# KiCad board kicker.kicad_pcb (continued)
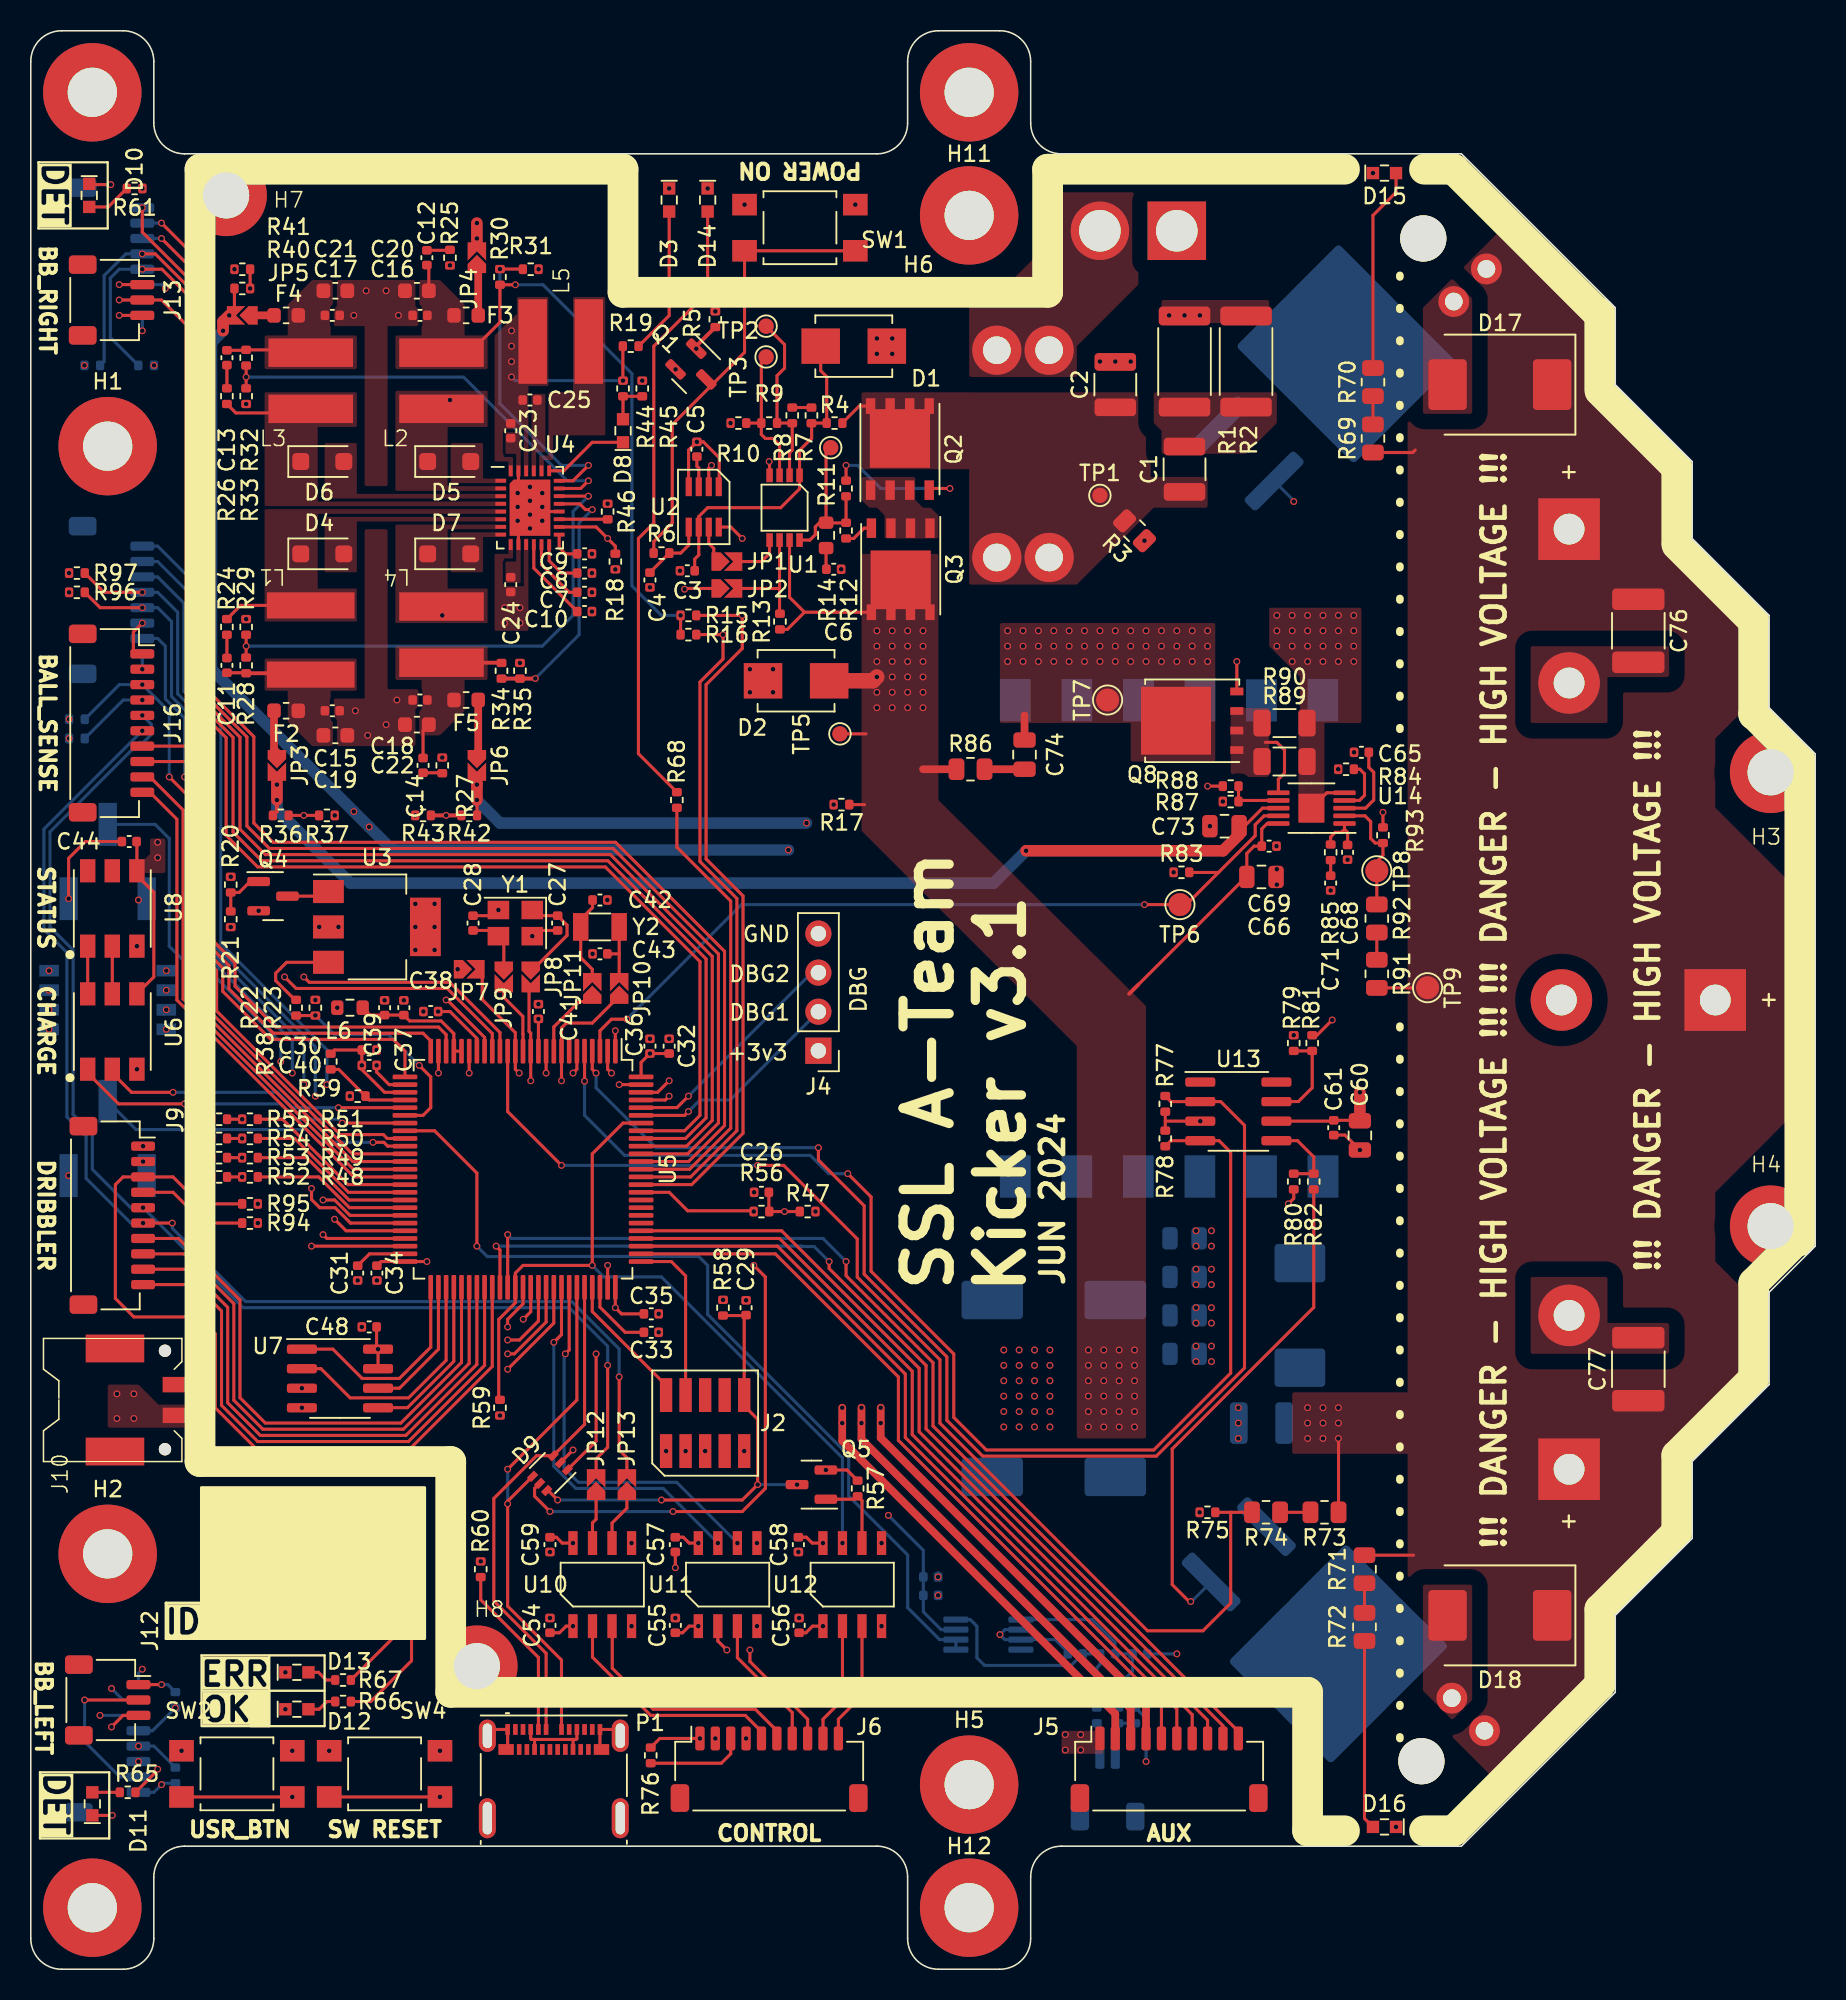
[diagram p0: board, top side]
## Library data of the parts
C1-C25 C27 C28 C42 C43 C54-C59 C64-C77 = -: Description: Unpolarized capacitor, small symbol
C26 C29-C41 C44-C50 C60 C61 = -: Description: Unpolarized capacitor
C51-C53 = -: Description: Polarized capacitor
C62 C63 = -: Description: Polarized capacitor, small symbol
D1 D2 = -: Description: Bidirectional transient-voltage-suppression diode; V_{BR}: V_{BR}=30.4V
D3 = -: Description: Light emitting diode; Value2: White
D4-D7 = -: Description: Schottky diode
D8 D13 D15 D16 = -: Description: Light emitting diode; Value2: Red
D9 = -: Description: Low capacitance unidirectional fivefold ESD protection diode array, 3.3V, Common Anode, SOT-363
D10 D11 = -: Description: Light emitting diode; Value2: Blue
D12 = -: Description: Light emitting diode; Value2: Green
D14 = -: Description: Light emitting diode; Value2: Orange
D17-D19 = -: Description: Diode; Sim.Device: D; Sim.Pins: 1=K 2=A
F1-F5 = -: Description: Fuse
H1-H12 = -: Description: Mounting Hole without connection
J1 J3 J7 J8 J10 = -: Description: Generic connector, single row, 01x02, script generated (kicad-library-utils/schlib/autogen/connector/)
J2 = -: Description: Cortex Debug Connector, standard ARM Cortex-M SWD and JTAG interface
J4 = -: Description: Generic connector, single row, 01x04, script generated
J5 J6 J9 J16 = -: Description: Generic connector, single row, 01x10, script generated (kicad-library-utils/schlib/autogen/connector/)
J11 J14 J15 = -: Description: Generic connector, single row, 01x08, script generated (kicad-library-utils/schlib/autogen/connector/)
J12 J13 = -: Description: Generic connector, single row, 01x03, script generated (kicad-library-utils/schlib/autogen/connector/)
JP1-JP6 JP8-JP11 = -: Description: Solder Jumper, 2-pole, closed/bridged
JP7 JP12 JP13 = -: Description: Solder Jumper, 2-pole, open
L1 = -: Description: Inductor; Val2: 22u
L2-L5 = -: Description: Inductor; Val2: 15u
L6 = -: Description: Inductor with ferrite core
P1 = -: Description: USB 2.0-only Type-C Plug connector
Q1 = -: Description: 50V Vds, 0.22A Id, N-Channel MOSFET, SOT-23
Q2 Q3 Q8 = -: Description: N-MOSFET transistor, source/gate/drain
Q4 Q5 = -: Description: N-MOSFET transistor, gate/source/drain
Q6 Q7 = -: Description: N-IGBT transistor, gate/collector/emitter
R1 R2 = -: Description: Resistor, US symbol; RecommendedMPN: SR2512FK-7W1RL
R3-R56 R58 R61 R65-R68 R76 R94-R103 = -: Description: Resistor, small US symbol
R57 R59 R60 R62-R64 R69-R75 R77-R93 = -: Description: Resistor, US symbol
RV1 RV2 = -: Description: Trim-potentiometer, US symbol
SW1 SW2 SW4 = -: Description: Push button switch, generic, two pins
SW3 = -: Description: 4x DIP Switch, Single Pole Single Throw (SPST) switch, small symbol
TP1-TP9 = -: Description: test point
U2 = -: Description: micropower , pushbutton on/off controller, 40V
U4 = -: Description: Quad 40V/1A Step-Down Switching Regulator
U5 = -: Description: STMicroelectronics Arm Cortex-M4 MCU, 512KB flash, 192KB RAM, 168 MHz, 1.8-3.6V, 82 GPIO, LQFP100
U7 = -: Description: 8-Mbit, 2.5V Minimum SPI Serial Flash Memory with Dual-I/O and Quad-I/O Support, SOIC-8
U9 = -: Description: Precision Thermocouple Amplifiers with Cold Junction Compensation, J-Type Thermocouple, 0 to 50C, MSOP-8
U10-U12 = -: Description: General Purpose Reinforced and Basic Dual-Channel Automotive Digital Isolator
U13 = -: Description: Dual 1.5A-Peak Low-Side MOSFET Driver, SOIC-8/DFN-8
U14 = -: Description: Boost, flyback, SEPIC and inverting regulator. MSOP-10
Y1 = -: Description: Four pin crystal, GND on pins 2 and 4, small symbol; Value2: 8MHz
Y2 = -: Description: Two pin crystal; Value2: 32.768kHz

## Footprints (pads in the part's own frame, mm; a bottom-side part is the same pattern mirrored in y, then rotated)
3557-2
  round 3.2 hole 1.8: 1(-6.735,-1.7) 1(-6.735,1.7) 2(6.735,-1.7) 2(6.735,1.7)
2157601002
  round 3 hole 3 unplated: (0,0)
  round 2 hole 1.15: 1(1.5,4.3) 2(-1.5,4.3)
AMASS_XT30U-M_1x02_P5.0mm_Vertical
  rect 3.8x3.8 hole 2.7: 1(0,0)
  round 3.8 hole 2.7: 2(5,0)
ASPI-6045S
  rect 5.7x1.7 smd: 1(0,-2.25) 2(0,2.25)
C_0402_1005Metric
  rrect 0.56x0.62 smd: 1(-0.48,0) 2(0.48,0)
C_0603_1608Metric
  rrect 0.9x0.95 smd: 1(-0.775,0) 2(0.775,0)
C_0805_2012Metric
  rrect 1x1.45 smd: 1(-0.95,0) 2(0.95,0)
C_1210_3225Metric
  rrect 1.15x2.7 smd: 1(-1.475,0) 2(1.475,0)
C_1812_4532Metric
  rrect 1.4x3.4 smd: 1(-2.05,0) 2(2.05,0)
CHP-041TB
  rect 0.76x1.27 smd: 1(-1.905,-3.81) 2(-0.635,-3.81) 3(0.635,-3.81) 4(1.905,-3.81) 5(1.905,3.81) 6(0.635,3.81) 7(-0.635,3.81) 8(-1.905,3.81)
CP_Elec_10x10
  rrect 4x2.5 smd: 1(-4,0) 2(4,0)
CP_Radial_D25.0mm_P10.00mm_SnapIn
  rect 4x4 hole 2: 1(0,0)
  round 4 hole 2: 2(10,0)
Crystal_SMD_3215-2Pin_3.2x1.5mm
  rect 1x1.8 smd: 1(1.25,0) 2(-1.25,0)
Crystal_SMD_3225-4Pin_3.2x2.5mm
  rect 1.4x1.2 smd: 1(-1.1,-0.85) 2(1.1,-0.85) 3(1.1,0.85) 4(-1.1,0.85)
D_SMB_Non-Polar
  rect 2.5x2.3 smd: 1(-2.15,0) 2(2.15,0)
D_SMC
  rrect 2.5x3.3 smd: 1(-3.4,0) 2(3.4,0)
D_SOD-123F
  rrect 1.1x1.1 smd: 1(-1.4,0) 2(1.4,0)
Fuse_0603_1608Metric
  rrect 0.875x0.95 smd: 1(-0.787,0) 2(0.787,0)
GA34XX-BL
  rect 2x2.75 smd: 1(-10,-15.475) 2(-6,-15.475) 3(-2,-15.475) 4(2,-15.475) 5(6,-15.475) 6(10,-15.475) 7(10,15.475) 8(6,15.475) 9(2,15.475) 10(-2,15.475) 11(-6,15.475) 12(-10,15.475)
ISO672X
  rect 0.6x1.55 smd: 1(-1.905,-2.7) 2(-0.635,-2.7) 3(0.635,-2.7) 4(1.905,-2.7) 5(1.905,2.7) 6(0.635,2.7) 7(-0.635,2.7) 8(-1.905,2.7)
JST_SH_SM02B-SRSS-TB_1x02-1MP_P1.00mm_Horizontal
  rrect 0.6x1.55 smd: 1(-0.5,2) 2(0.5,2)
  rrect 1.2x1.8 smd: MP(-1.8,-1.875) MP(1.8,-1.875)
JST_SH_SM03B-SRSS-TB_1x03-1MP_P1.00mm_Horizontal
  rrect 0.6x1.55 smd: 1(-1,2) 2(0,2) 3(1,2)
  rrect 1.2x1.8 smd: MP(-2.3,-1.875) MP(2.3,-1.875)
JST_SH_SM08B-SRSS-TB_1x08-1MP_P1.00mm_Horizontal
  rrect 0.6x1.55 smd: 1(-3.5,2) 2(-2.5,2) 3(-1.5,2) 4(-0.5,2) 5(0.5,2) 6(1.5,2) 7(2.5,2) 8(3.5,2)
  rrect 1.2x1.8 smd: MP(-4.8,-1.875) MP(4.8,-1.875)
JST_SH_SM10B-SRSS-TB_1x10-1MP_P1.00mm_Horizontal
  rrect 0.6x1.55 smd: 1(-4.5,2) 2(-3.5,2) 3(-2.5,2) 4(-1.5,2) 5(-0.5,2) 6(0.5,2) 7(1.5,2) 8(2.5,2) 9(3.5,2) 10(4.5,2)
  rrect 1.2x1.8 smd: MP(-5.8,-1.875) MP(5.8,-1.875)
LED0603
  rect 0.8x0.8 smd: 1(-0.75,0) 2(0.75,0)
LQFP-100_14x14mm_P0.5mm
  rrect 1.6x0.3 smd: 1(-7.675,6) 2(-7.675,5.5) 3(-7.675,5) 4(-7.675,4.5) 5(-7.675,4) 6(-7.675,3.5) 7(-7.675,3) 8(-7.675,2.5) 9(-7.675,2) 10(-7.675,1.5) 11(-7.675,1) 12(-7.675,0.5) 13(-7.675,0) 14(-7.675,-0.5) 15(-7.675,-1) 16(-7.675,-1.5) 17(-7.675,-2) 18(-7.675,-2.5) 19(-7.675,-3) 20(-7.675,-3.5) 21(-7.675,-4) 22(-7.675,-4.5) 23(-7.675,-5) 24(-7.675,-5.5) 25(-7.675,-6) 51(7.675,-6) 52(7.675,-5.5) 53(7.675,-5) 54(7.675,-4.5) 55(7.675,-4) 56(7.675,-3.5) 57(7.675,-3) 58(7.675,-2.5) 59(7.675,-2) 60(7.675,-1.5) 61(7.675,-1) 62(7.675,-0.5) 63(7.675,0) 64(7.675,0.5) 65(7.675,1) 66(7.675,1.5) 67(7.675,2) 68(7.675,2.5) 69(7.675,3) 70(7.675,3.5) 71(7.675,4) 72(7.675,4.5) 73(7.675,5) 74(7.675,5.5) 75(7.675,6)
  rrect 0.3x1.6 smd: 26(-6,-7.675) 27(-5.5,-7.675) 28(-5,-7.675) 29(-4.5,-7.675) 30(-4,-7.675) 31(-3.5,-7.675) 32(-3,-7.675) 33(-2.5,-7.675) 34(-2,-7.675) 35(-1.5,-7.675) 36(-1,-7.675) 37(-0.5,-7.675) 38(0,-7.675) 39(0.5,-7.675) 40(1,-7.675) 41(1.5,-7.675) 42(2,-7.675) 43(2.5,-7.675) 44(3,-7.675) 45(3.5,-7.675) 46(4,-7.675) 47(4.5,-7.675) 48(5,-7.675) 49(5.5,-7.675) 50(6,-7.675) 76(6,7.675) 77(5.5,7.675) 78(5,7.675) 79(4.5,7.675) 80(4,7.675) 81(3.5,7.675) 82(3,7.675) 83(2.5,7.675) 84(2,7.675) 85(1.5,7.675) 86(1,7.675) 87(0.5,7.675) 88(0,7.675) 89(-0.5,7.675) 90(-1,7.675) 91(-1.5,7.675) 92(-2,7.675) 93(-2.5,7.675) 94(-3,7.675) 95(-3.5,7.675) 96(-4,7.675) 97(-4.5,7.675) 98(-5,7.675) 99(-5.5,7.675) 100(-6,7.675)
LTC2955-TS8
  rect 0.4x1.22 smd: 1(-0.975,-1.31) 2(-0.325,-1.31) 3(0.325,-1.31) 4(0.975,-1.31) 5(0.975,1.31) 6(0.325,1.31) 7(-0.325,1.31) 8(-0.975,1.31)
MountingHole_3.2mm_M3_Pad
  round 6.4 hole 3.2: 1(0,0)
MS8
  rect 0.42x0.889 smd: 1(-0.975,-2.106) 2(-0.325,-2.106) 3(0.325,-2.106) 4(0.975,-2.106) 5(0.975,2.106) 6(0.325,2.106) 7(-0.325,2.106) 8(-0.975,2.106)
MSOP-8_3x3mm_P0.65mm
  rrect 1.625x0.4 smd: 1(-2.112,0.975) 2(-2.112,0.325) 3(-2.112,-0.325) 4(-2.112,-0.975) 5(2.112,-0.975) 6(2.112,-0.325) 7(2.112,0.325) 8(2.112,0.975)
MSOP-10-1EP_3x3mm_P0.5mm_EP1.68x1.88mm
  rrect 0.68x0.76 smd: (-0.42,0.47) (-0.42,-0.47) (0.42,0.47) (0.42,-0.47)
  rrect 1.45x0.3 smd: 1(-2.15,1) 2(-2.15,0.5) 3(-2.15,0) 4(-2.15,-0.5) 5(-2.15,-1) 6(2.15,-1) 7(2.15,-0.5) 8(2.15,0) 9(2.15,0.5) 10(2.15,1)
  rect 1.68x1.88 smd: 11(0,0)
PinHeader_1x04_P2.54mm_Vertical
  rect 1.7x1.7 hole 1: 1(0,0)
  oval 1.7x1.7 hole 1: 2(0,-2.54) 3(0,-5.08) 4(0,-7.62)
Potentiometer_Bourns_3269X_Horizontal
  rect 1.19x2.79 smd: 1(2.54,2.415) 2(0,-2.415) 3(-2.54,2.415)
PowerPAK_SO-8L_Single
  rect 1.27x0.61 smd: 1(-2.67,1.905) 2(-2.67,0.635) 3(-2.67,-0.635) 4(-2.67,-1.905)
  rect 3.81x3.91 smd: 5(0.69,0)
  rect 1.02x0.61 smd: 5(2.795,1.905) 5(2.795,0.635) 5(2.795,-0.635) 5(2.795,-1.905)
R_0402_1005Metric
  rrect 0.54x0.64 smd: 1(-0.51,0) 2(0.51,0)
R_0603_1608Metric
  rrect 0.8x0.95 smd: 1(-0.825,0) 2(0.825,0)
R_0805_2012Metric
  rrect 1.025x1.4 smd: 1(-0.912,0) 2(0.912,0)
R_1206_3216Metric
  rrect 1.125x1.75 smd: 1(-1.462,0) 2(1.462,0)
R_2512_6332Metric
  rrect 1.225x3.35 smd: 1(-2.962,0) 2(2.962,0)
Samtec-2x5pin-0.5mm
  rect 0.8x2.2 smd: 1(-2.54,-1.82) 2(-2.54,1.82) 3(-1.27,-1.82) 4(-1.27,1.82) 5(0,-1.82) 6(0,1.82) 7(1.27,-1.82) 8(1.27,1.82) 9(2.54,-1.82) 10(2.54,1.82)
SDCHA1V50
  rect 5.5x1.85 smd: 1(0,-1.825) 2(0,1.825)
SK9822
  rect 1.5x1 smd: 1(2.45,-1.6) 2(2.45,0) 3(2.45,1.6) 4(-2.45,1.6) 5(-2.45,0) 6(-2.45,-1.6)
SM02B-PASS-TBT
  round 0.8 hole 1.9x0.9 unplated: (-3.2,-0.15)
  round 0.8 hole 0.9 unplated: (3.2,-0.15)
  rect 1x2.7 smd: 1(-1,-1.35) 2(1,-1.35)
  rect 1.8x3.8 smd: MP(-3.35,3.1) MP(3.35,3.1)
SOIC-8_3.9x4.9mm_P1.27mm
  rrect 1.95x0.6 smd: 1(-2.475,1.905) 2(-2.475,0.635) 3(-2.475,-0.635) 4(-2.475,-1.905) 5(2.475,-1.905) 6(2.475,-0.635) 7(2.475,0.635) 8(2.475,1.905)
SolderJumper-2_2.0x1.2mm_Closed
  custom 1.187x1.2 smd: 1(-0.85,0) 2(0.85,0)
SolderJumper-2_2.0x1.2mm_Open
  custom 1.187x1.2 smd: 1(-0.85,0) 2(0.85,0)
SOT-23
  rrect 1.475x0.6 smd: 1(-0.938,0.95) 2(-0.938,-0.95) 3(0.938,0)
SOT-223
  rect 2x1.5 smd: 1(-3.15,2.3) 2(-3.15,0) 3(-3.15,-2.3)
  rect 2x3.8 smd: 4(3.15,0)
SOT-363_SC-70-6
  rect 0.65x0.4 smd: 1(-0.95,0.65) 2(-0.95,0) 3(-0.95,-0.65) 4(0.95,-0.65) 5(0.95,0) 6(0.95,0.65)
SW_SPST_TL3305A
  rect 1.6x1.4 smd: 1(-3.6,1.5) 1(3.6,1.5) 2(-3.6,-1.5) 2(3.6,-1.5)
TDSON-8-1
  rect 1.5x1.5 smd: (-0.2,0.85) (-0.2,-0.85) (1.5,0.85) (1.5,-0.85)
  custom 4.55x4.41 smd: (0.65,0)
  rect 0.75x0.5 smd: (2.905,1.905) (2.905,0.635) (2.905,-0.635) (2.905,-1.905)
  rect 0.85x0.5 smd: 1(-2.9,1.905) 2(-2.9,0.635) 3(-2.9,-0.635) 4(-2.9,-1.905)
  rect 4.55x4.41 smd: 5(1.05,0)
TestPoint_Pad_D1.0mm
  round 1 smd: 1(0,0)
TestPoint_Pad_D1.5mm
  round 1.5 smd: 1(0,0)
TO-263-2
  rrect 4.6x1.1 smd: 1(-7.65,2.54) 3(-7.65,-2.54)
  rrect 4.55x5.25 smd: 2(-0.925,-2.775) 2(-0.925,2.775) 2(3.925,-2.775) 2(3.925,2.775)
  rrect 9.4x10.8 smd: 2(1.5,0)
UFD
  rect 0.7x0.25 smd: 1(-1.9,1.75) 2(-1.9,1.25) 3(-1.9,0.75) 4(-1.9,0.25) 5(-1.9,-0.25) 6(-1.9,-0.75) 7(-1.9,-1.25) 8(-1.9,-1.75) 15(1.9,-1.75) 16(1.9,-1.25) 17(1.9,-0.75) 18(1.9,-0.25) 19(1.9,0.25) 20(1.9,0.75) 21(1.9,1.25) 22(1.9,1.75)
  rect 0.25x0.7 smd: 9(-1.25,-2.4) 10(-0.75,-2.4) 11(-0.25,-2.4) 12(0.25,-2.4) 13(0.75,-2.4) 14(1.25,-2.4) 23(1.25,2.4) 24(0.75,2.4) 25(0.25,2.4) 26(-0.25,2.4) 27(-0.75,2.4) 28(-1.25,2.4)
  rrect 2.65x3.65 smd: 29(0,0)
USB_C_Receptacle_Molex_105450-0101
  rect 0.3x0.7 smd: A1(-3,3.215) A2(-2.5,3.215) A3(-2,3.215) A4(-1.5,3.215) A5(-1,3.215) A6(-0.5,3.215) A7(0.5,3.215) A8(1,3.215) A9(1.5,3.215) A10(2,3.215) A11(2.5,3.215) A12(3,3.215) B2(2.25,1.915) B3(1.75,1.915) B4(1.25,1.915) B5(0.75,1.915) B6(0.25,1.915) B7(-0.25,1.915) B8(-0.75,1.915) B9(-1.25,1.915) B10(-1.75,1.915) B11(-2.25,1.915)
  rect 1x0.7 smd: B1(3.1,1.915) B12(-3.1,1.915)
  oval 1.1x2.1 hole 0.6x1.6: S1(-4.32,2.805) S1(4.32,2.805)
  oval 1.1x2.6 hole 0.6x2.1: S1(-4.32,-2.555) S1(4.32,-2.555)
WE-9774005243R
  round 5.3 hole 3 unplated: (0,0)

## Nets
+3.3V_{PREFUSE}: C12.2 C16.1 C20.1 F3.1 L2.2 R15.1 R16.1 R30.1
+3V3: C30.2 C32.2 C34.1 C35.1 C36.1 C38.1 C40.1 C41.1 C48.2 C49.1 C50.2 C57.1 C58.1 C59.1 J2.1 J4.1 J5.2 J9.2 J11.1 J12.1 J13.1 J14.1 J15.1 J16.2 JP4.2 L6.1 R20.2 R38.1 R58.1 R94.1 R95.1 R96.1 R97.1 R98.1 R99.1 R100.1 R101.1 R102.1 R103.1 RV1.1 RV2.1 SW2.2 SW3.5 SW3.6 SW3.7 SW3.8 U5.6 U5.11 U5.19 U5.28 U5.50 U5.75 U5.100 U7.3 U7.7 U7.8 U9.7 U10.8 U11.8 U12.8
+5V: C44.2 J5.3 JP5.2 R40.1 U6.4 U8.4
+6V: J5.4 JP6.2 R42.1
+12V: C60.1 C61.1 C73.1 JP3.2 R36.1 U13.6 U14.8
/isol/GND_ISOL: C54.2 C55.2 C56.2 J6.1 R76.1 U10.4 U11.4 U12.4
GND: C2.2 C3.2 C4.2 C5.2 C6.2 C7.2 C8.2 C9.2 C10.2 C15.2 C16.2 C17.2 C18.2 C19.2 C20.2 C21.2 C22.2 C23.2 C24.2 C26.2 C27.2 C28.2 C29.2 C30.1 C31.1 C32.1 C33.1 C34.2 C35.2 C36.2 C37.2 C38.2 C39.2 C40.2 C41.2 C42.2 C43.2 C44.1 C45.1 C47.2 C48.1 C49.2 C50.1 C51.2 C52.2 C53.2 C57.2 C58.2 C59.2 C60.2 C61.2 C62.2 C63.2 C64.2 C65.2 C66.2 C67.2 C68.2 C69.2 C70.2 C71.2 C72.2 C73.2 C75.2 C76.2 C77.2 D1.1 D2.1 D3.1 D9.2 D10.1 D11.1 D12.1 D13.1 D14.1 D15.1 D16.1 J1.1 J2.3 J2.5 J2.9 J4.4 J5.1 J9.1 J10.2 J11.3 J12.3 J13.3 J14.3 J15.3 J16.1 JP7.1 L7.6 P1.A1 P1.A12 P1.B1 P1.B12 P1.S1 Q1.2 Q4.2 Q5.2 Q6.3 Q7.3 R1.2 R2.2 R3.1 R5.1 R10.1 R17.2 R18.2 R21.2 R23.2 R29.2 R31.2 R33.2 R35.2 R37.2 R39.2 R41.2 R43.2 R45.1 R46.2 R47.2 R52.1 R53.1 R54.1 R55.1 R57.2 R59.1 R60.2 R62.1 R75.2 R77.2 R78.2 R79.2 R80.2 R83.2 R84.1 R87.1 R89.1 R90.1 R93.1 RV1.3 RV2.3 SW1.1 SW4.1 U1.4 U2.1 U2.4 U4.10 U4.18 U4.27 U4.29 U5.10 U5.20 U5.27 U5.74 U5.99 U6.3 U7.4 U8.3 U9.2 U9.3 U10.5 U11.5 U12.5 U13.3 U14.5 U14.11 Y1.2 Y1.4
+BATT: C23.1 C24.1 C25.2 C62.1 C63.1 C64.1 C66.1 C67.1 C69.1 C70.1 C72.1 D2.2 J10.1 L5.2 L7.9 L7.10 L7.11 L7.12 Q3.5 R13.1 R17.1 R19.1 R44.1 R86.1 TP5.1 U1.7 U3.2 U3.4 U4.9 U4.11 U4.26 U4.28 U14.10
/Ball Sense/8MHZ_CLK_REF: J9.5 J16.5 JP8.2 JP12.2 U5.12
/Ball Sense/32KHZ_CLK_REF: J9.6 J16.6 JP10.1 JP13.2 U5.8
/Ball Sense/SENSE_BOOT_UART.BOOT0: J16.9 U5.38
/Ball Sense/SENSE_BOOT_UART.RST: J16.10 U5.39
/Ball Sense/SENSE_BOOT_UART.RX: J16.8 U5.26
/Ball Sense/SENSE_BOOT_UART.TX: J16.7 U5.25
/Ball Sense/SENSE_BOOT_UART.~{DET}: J16.3 R103.2 U5.37
/Breakbeam/BB_CENTER.AGPIO: J11.2 U5.34
/Breakbeam/BB_CENTER.INT: J11.8 U5.46
/Breakbeam/BB_CENTER.RST: J11.6 U5.45
/Breakbeam/BB_CENTER.SCL: J11.5 R97.2 U5.47
/Breakbeam/BB_CENTER.SDA: J11.4 R96.2 U5.48
/Breakbeam/BB_CENTER.~{DET}: J11.7 U5.44
/Breakbeam/BB_LEFT.AGPIO: J12.2 J15.2 U5.24
/Breakbeam/BB_LEFT.INT: J15.8 U5.65
/Breakbeam/BB_LEFT.RST: J15.6 U5.64
/Breakbeam/BB_LEFT.SCL: J15.5 R101.2 U5.67
/Breakbeam/BB_LEFT.SDA: J15.4 R99.2 U5.66
/Breakbeam/BB_LEFT.~{DET}: J15.7 U5.63
/Breakbeam/BB_RIGHT.AGPIO: J13.2 J14.2 U5.23
/Breakbeam/BB_RIGHT.INT: J14.8 U5.91
/Breakbeam/BB_RIGHT.RST: J14.6 U5.90
/Breakbeam/BB_RIGHT.SCL: J14.5 R100.2 U5.92
/Breakbeam/BB_RIGHT.SDA: J14.4 R98.2 U5.93
/Breakbeam/BB_RIGHT.~{DET}: J14.7 U5.89
/digital/AUX_GPIO1: J5.9 U5.60
/digital/AUX_GPIO2: J5.10 U5.61
/digital/AUX_MISO: J5.7 U5.79
/digital/AUX_MOSI: J5.8 U5.80
/digital/AUX_NSS: J5.5 U5.77
/digital/AUX_SCK: J5.6 U5.78
/digital/BB_LED1_BLUE: R61.1 U5.1
/digital/BB_LED2_BLUE: R65.1 U5.2
/digital/CMD_{CHG}: R83.1 TP6.1 U5.3 U14.9
/digital/CMD_{CHIP}: R78.1 U5.5 U13.4
/digital/CMD_{KICK}: R77.1 U5.4 U13.2
/digital/DBG_HDR1: J4.2 U5.95
/digital/DBG_HDR2: J4.3 U5.96
/digital/DIP0: R51.2 U5.40
/digital/DIP1: R50.2 U5.41
/digital/DIP2: R49.2 U5.42
/digital/DIP3: R48.2 U5.43
/digital/DOTSTAR_MOSI: U5.32 U6.1
/digital/DOTSTAR_SCK: U5.30 U6.2
/digital/FLASH_MISO: U5.53 U7.2
/digital/FLASH_MOSI: U5.54 U7.5
/digital/FLASH_NSS: U5.51 U7.1
/digital/FLASH_SCK: U5.52 U7.6
/digital/LED_GREEN: R66.1 U5.97
/digital/LED_RED: R67.1 U5.98
/digital/MCU_BOOT_UART.BOOT0: R59.2 U5.62 U5.94 U12.7
/digital/MCU_BOOT_UART.PWR_EN: J6.4 Q1.1 R5.2
/digital/MCU_BOOT_UART.RST: Q5.1 R57.1 U12.6
/digital/MCU_BOOT_UART.RX: U5.69 U11.6
/digital/MCU_BOOT_UART.TX: U5.68 U11.7
/digital/MCU_BOOT_UART.~{DET}: J6.3 R76.2
/digital/NRST: C29.1 D9.6 J2.10 JP7.2 Q5.3 R58.2 SW4.2 U5.14
/digital/PWR_BTN_PRESSED_~{INT}: R15.2 U2.8 U5.86
/digital/PWR_KILL: R16.2 U2.2 U5.87
/digital/ShutdownInitiated: R68.1 U5.88
/digital/SWCLK: J2.4 U5.76
/digital/SWDIO: J2.2 U5.72
/digital/TEMP_PROBE: U5.33 U9.5 U9.6
/digital/USB_OTG_FS_D_N: D9.4 P1.A7 U5.70
/digital/USB_OTG_FS_D_P: D9.3 P1.A6 U5.71
/digital/USER_ADJ1: RV1.2 U5.35
/digital/USER_ADJ2: RV2.2 U5.36
/digital/USR_BTN: D9.5 R56.1 U5.85
/digital/V_{sense}_3v3: R38.2 R39.1 U5.29
/digital/V_{sense}_5v0: R40.2 R41.1 U5.17
/digital/V_{sense}_6v2: R42.2 R43.1 U5.18
/digital/V_{sense}_12v0: R36.2 R37.1 U5.16
/digital/V_{sense}_HV: D9.1 R74.2 R75.1 U5.15
/digital/V_{sense}_V_{batt}: R22.2 R23.1 U5.31
/Dribbler/DRIB_BOOT_UART.BOOT0: J9.9 U5.57
/Dribbler/DRIB_BOOT_UART.RST: J9.10 U5.58
/Dribbler/DRIB_BOOT_UART.RX: J9.8 U5.56
/Dribbler/DRIB_BOOT_UART.TX: J9.7 U5.55
/Dribbler/DRIB_BOOT_UART.~{DET}: J9.3 R95.2 U5.59
/hv_kicker/DL1S: R69.2 R70.1
/hv_kicker/DL2S: R71.2 R72.1
/hv_kicker/flyback_charger/CSP: Q8.1 Q8.2 Q8.3 R89.2 R90.2 U14.6
/hv_kicker/flyback_charger/FB: R92.1 R93.2 TP8.1 U14.2
/hv_kicker/flyback_charger/HV_AC: D19.2 L7.7
/hv_kicker/flyback_charger/HVFBS: R91.1 R92.2
/hv_kicker/flyback_charger/HVGATE: R87.2 R88.1 U14.7
/hv_kicker/flyback_charger/V_{solenoid}: C51.1 C52.1 C53.1 C75.1 C76.1 C77.1 D17.1 D18.1 D19.1 J7.1 J8.2 R69.1 R71.1 R73.1 R91.2 TP9.1
/hv_kicker/flyback_charger/V_{trans}: C74.2 L7.1 L7.2 L7.3 L7.4 Q8.5 TP7.1
/hv_kicker/HVMS: R73.2 R74.1
/hv_kicker/solenoid_control/CHIP_SW: D18.2 J8.1 Q7.2
/hv_kicker/solenoid_control/GATE_{chip}: R80.1 R82.1 U13.5
/hv_kicker/solenoid_control/GATE_{chip}_FILT: Q7.1 R82.2
/hv_kicker/solenoid_control/GATE_{kick}: R79.1 R81.1 U13.7
/hv_kicker/solenoid_control/GATE_{kick}_FILT: Q6.1 R81.2
/hv_kicker/solenoid_control/KICK_SW: D17.2 J7.2 Q6.2
/isol/BOOT_UART_BOOT0_ISOL: J6.9 U12.2
/isol/BOOT_UART_RST_ISOL: J6.10 U12.3
/isol/BOOT_UART_RX_ISOL: J6.7 U11.3
/isol/BOOT_UART_TX_ISOL: J6.8 U11.2
/isol/CLK_8M_ISOL: J6.5 U10.2
/isol/CLK_32K_ISOL: J6.6 U10.3
/isol/V_{logic}_ISOL: C54.1 C55.1 C56.1 J6.2 U10.1 U11.1 U12.1
/Power Protection/PGOOD_{VBATT}: JP2.1 R18.1 U4.16
/Power Protection/V_{BATT}: F1.1 J1.2
/Power Protection/V_{BATT}_FUSED: C1.1 C2.1 F1.2 Q2.5 R3.2 R4.2 TP1.1
Net-(C1-Pad2): C1.2 R1.1 R2.1
Net-(C6-Pad1): C6.1 R14.2
Net-(C11-Pad1): C11.1 R24.2
Net-(C11-Pad2): C11.2 C15.1 C19.1 F2.1 L1.2 R28.1
Net-(C12-Pad1): C12.1 R25.2
Net-(C13-Pad1): C13.1 R26.2
Net-(C13-Pad2): C13.2 C17.1 C21.1 F4.1 L3.2 R32.1
Net-(C14-Pad1): C14.1 R27.2
Net-(C14-Pad2): C14.2 C18.1 C22.1 F5.1 L4.2 R34.1
Net-(C26-Pad1): C26.1 R47.1 R56.2 SW2.1
Net-(C71-Pad1): C71.1 R85.1
Net-(C74-Pad1): C74.1 R86.2
Net-(D1-A2): C3.1 D1.2 R4.1 R7.1 U1.1 U2.6
Net-(D3-A): D3.2 R19.2
Net-(D4-A): D4.2 U4.6
Net-(D4-K): D4.1 L1.1 R24.1 U4.5
Net-(D5-A): D5.2 U4.1
Net-(D5-K): D5.1 L2.1 R25.1 U4.2
Net-(D6-A): D6.2 U4.3
Net-(D6-K): D6.1 L3.1 R26.1 U4.4
Net-(D7-A): D7.2 U4.8
Net-(D7-K): D7.1 L4.1 R27.1 U4.7
Net-(D8-A): D8.2 R44.2 R45.2
Net-(D8-K): D8.1 U4.23
Net-(D10-A): D10.2 R61.2
Net-(D11-A): D11.2 R65.2
Net-(D12-A): D12.2 R66.2
Net-(D13-A): D13.2 R67.2
Net-(D14-A): D14.2 R68.2
Net-(D15-A): D15.2 R70.2
Net-(D16-A): D16.2 R72.2
Net-(J3-Pin_1): J3.1 R62.2 R63.1
Net-(J3-Pin_2): J3.2 R64.1
Net-(J9-Pin_4): J9.4 R94.2
Net-(J16-Pin_4): J16.4 R102.2
Net-(JP1-A): JP1.1 U2.7
Net-(JP1-B): JP1.2 U1.5
Net-(JP2-B): JP2.2 R13.2 U1.6
Net-(JP3-A): F2.2 JP3.1
Net-(JP4-A): F3.2 JP4.1
Net-(JP5-A): F4.2 JP5.1
Net-(JP6-A): F5.2 JP6.1
Net-(JP8-A): C27.1 JP8.1 Y1.1
Net-(JP9-A): C28.1 JP9.1 Y1.3
Net-(JP9-B): JP9.2 U5.13
Net-(JP10-B): C43.1 JP10.2 Y2.2
Net-(JP11-A): JP11.1 U5.9
Net-(JP11-B): C42.1 JP11.2 Y2.1
Net-(JP12-A): JP12.1 U10.7
Net-(JP13-A): JP13.1 U10.6
Net-(P1-CC): P1.A5 R60.1
Net-(Q1-D): Q1.3 R6.2 SW1.2
Net-(Q2-G): Q2.4 R11.1
Net-(Q2-S-Pad1): Q2.1 Q2.2 Q2.3 Q3.1 Q3.2 Q3.3
Net-(Q3-G): Q3.4 R12.2
Net-(Q4-D): Q4.3 U3.1
Net-(Q4-G): Q4.1 R20.1 R21.1
Net-(Q8-G): Q8.4 R88.2
Net-(R7-Pad2): R7.2 R8.1
Net-(R48-Pad1): R48.1 R52.2 SW3.4
Net-(R49-Pad1): R49.1 R53.2 SW3.3
Net-(R50-Pad1): R50.1 R54.2 SW3.2
Net-(R51-Pad1): R51.1 R55.2 SW3.1
Net-(U1-GATE): R11.2 R12.1 R14.1 TP4.1 U1.8
Net-(U1-OV): R9.2 R10.2 TP3.1 U1.3
Net-(U1-UV): R8.2 R9.1 TP2.1 U1.2
Net-(U2-TMR): C5.1 U2.3
Net-(U2-~{PB}): C4.1 R6.1 U2.5
Net-(U3-OUT): R22.1 U3.3
Net-(U4A-RT/SYNC): R46.1 U4.17
Net-(U4A-SKY): C25.1 U4.25
Net-(U4A-SW5): L5.1 U4.24
Net-(U4B-FB1): R28.2 R29.1 U4.20
Net-(U4B-RUN/SS1): C7.1 U4.13
Net-(U4C-FB2): R30.2 R31.1 U4.22
Net-(U4C-RUN/SS2): C8.1 U4.14
Net-(U4D-FB3): R32.2 R33.1 U4.21
Net-(U4D-RUN/SS3): C9.1 U4.15
Net-(U4E-FB4): R34.2 R35.1 U4.19
Net-(U4E-RUN/SS4): C10.1 U4.12
Net-(U5-VCAP_1): C31.2 U5.49
Net-(U5-VCAP_2): C33.2 U5.73
Net-(U5-VDDA): C37.1 C39.1 L6.2 U5.21 U5.22
Net-(U6-CKO): U6.5 U8.2
Net-(U6-SDO): U6.6 U8.1
Net-(U9-+IN): C46.2 C47.1 R64.2 U9.8
Net-(U9--IN): C45.2 C46.1 R63.2 U9.1
Net-(U14-RT): R84.2 U14.4
Net-(U14-SS): C65.1 U14.3
Net-(U14-VC): C68.1 R85.2 U14.1

Pads without a net: H1 1; H2 1; H5 1; H6 1; H9 1; H10 1; H11 1; H12 1; J2 6 7 8; J3 MP; J5 MP; J6 MP; J9 MP; J10 MP; J11 MP; J12 MP; J13 MP; J14 MP; J15 MP; J16 MP; L7 5 8; P1 A2 A3 A4 A8 A9 A10 A11 B2 B3 B4 B5 B6 B7 B8 B9 B10 B11; U5 7 81 82 83 84; U8 5 6; U9 4; U13 1 8

## Via types
v1: diameter 0.45, hole 0.3, Top to Bottom, 551 vias

## Routing (per net, layer and track width the routed paths; a pad name or vN(x,y) marks a point on that pad's centre or on a via; arc(x,y) is an arc through that point)
+3.3V_{PREFUSE}: length 38.7
  Top w0.2: v1(42.24,88) R16.1 ; 28.53,105.08 30.5,107.05 R30.1 v1(31.5,109.49) ; C12.2 25.88,110.64 C20.1
  Top w0.25: L2.2 28.53,105.08
  Bottom w0.2: v1(31.5,109.49) 33.3,109.49 39.08,103.71 39.08,89.92 41,88 v1(42.24,88)
+3V3: length 81.3
  Top w0.2: v1(26.48,62.25) 27.26,62.25 29,60.51 U5.19 ; C34.1 22.77,46 U5.50 v1(25.75,46) ; C35.1 38.4,42.6 v1(38,43) U5.75 ; J13.1 v1(5.75,109.5) ; C32.2 v1(40.25,59.52) 39.68,58.94 U5.100 ; v1(51.5,27.7) 50.8,27.7 50.42,28.08 C58.1 ; U5.6 35.5,58.5 v1(35.25,58.25) ; 21.52,59.5 v1(21.52,58.75) ; v1(21.52,58.75) 21.51,58.76 ; v1(21.52,58.75) 21.52,58.48 23,57 U5.28 ; C30.2 19.74,59.75 R38.1 ; C59.1 34.17,28.08 34.55,27.7 v1(35.25,27.7) ; v1(43.4,27.7) 42.8,27.7 42.42,28.08 C57.1 ; v1(33,61.77) U5.11 ; C48.2 22.48,40.4 v1(22.57,40.31) U7.7 ; v1(8.5,18.5) J12.1
  Top w0.5: v1(52.75,36.5) v1(52.75,35.5) 52.75,34.35 70.5,16.6 J5.2
  Top w0.75: JP4.2 v1(29,113.5)
  Bottom w0.2: J11.1 v1(7.25,84.5) ; v1(8.5,18.5) 8.91,18.5 R101.1 ; U9.7 59.18,22.07 58.02,23.23 C49.1 C50.2 ; J15.1 8,11.5 v1(8.5,12) 8.59,12.09 R99.1 ; v1(55.75,29.5) 58.02,27.23 C50.2 ; C50.2 58.02,25.63 ; C50.2 58,25.48 ; RV2.1 7.09,69.59 v1(7,69.5) ; v1(7.25,106.5) J14.1
  vias: v1(1.19,64.91) v1(1.19,63.63) v1(1.19,62.37) v1(1.19,61.09) v1(2.49,90.75) v1(2.49,89.5) v1(2.49,81.25) v1(2.49,80) v1(3.49,104.25) v1(7.3,52.5) v1(8.01,104.25) v1(9.8,14.2) v1(13,71.01) v1(14.76,49.75) v1(14.76,48.5) v1(17,14.2) v1(17.62,37.76) v1(19.93,62.5) v1(29,112.5) v1(41.3,33.68) v1(45,43.51)
+5V: length 162.1
  Top w0.2: U6.4 8,64.5 8,70 6.9,71.1 U8.4 6.9,73.28 C44.2 ; 8.2,72.2 v1(8.25,72.25) ; R40.1 13.24,107.84 v1(12.9,107.5) ; 8.2,73.3 v1(8.25,73.25)
  Top w0.5: v1(54,36.5) v1(54,35.5) 54,34.44 71.5,16.94 J5.3
  Top w0.75: v1(12.5,106.5) 12.5,107.1 v1(12.9,107.5)
  In1.Cu w0.75: v1(49.25,72.75) 49.96,72.75 54,68.71 v1(54,35.5)
  In3.Cu w0.35: 21.5,74.75 20,73.25 v1(8.25,73.25)
  Bottom w0.75: v1(12.9,107.5) 12.5,107.1 v1(12.5,106.5) 11.75,105.75 11.75,84.5 v1(21,75.25) v1(22,74.25) 23.5,72.75 v1(49.25,72.75)
+6V: length 95.1
  Top w0.2: v1(29,76) 29.01,75.99 R42.1
  Top w0.5: J5.4 72.5,17.29 55.25,34.54 v1(55.25,35.5) v1(55.25,36.5)
  Top w0.75: JP6.2 v1(29,77) v1(29,76)
  In1.Cu w0.75: v1(55.25,35.5) 55.25,69.68 v1(50.43,74.5)
  Bottom w0.75: v1(50.43,74.5) 30.5,74.5 v1(29,76) v1(29,77)
+12V: length 109.1
  Top w0.2: U14.8 80.07,75.47 78.9,74.3 ; U13.6 84.65,55.12 C61.1 86.37,55.18 C60.1
  Top w0.25: 78.9,74.3 C73.1 ; R36.1 16,75.26 v1(16,76)
  Top w0.75: v1(86.4,57) C60.1 ; C73.1 78.55,73.75 77.5,72.7 v1(64.7,72.7) ; v1(16,76) JP3.2
  In1.Cu w0.75: v1(64.7,72.7) 80.4,57 v1(86.4,57)
  Bottom w0.75: v1(64.7,72.7) 62.6,70.6 20.77,70.6 16,75.37 v1(16,76) v1(16,77)
/isol/GND_ISOL: length 3.4
  Top w0.2: R76.1 40.89,15 v1(43.5,15)
  vias: v1(33.75,22.83) v1(39.06,22.3) v1(41.9,22.83) v1(47.21,22.3) v1(49.95,22.83) v1(55.31,22.3)
GND: length 76.5
  Top w0.2: v1(51.69,32.45) 53.06,32.45 R57.2 ; U5.99 v1(38.25,57.5) ; v1(7.25,87.5) 6.67,86.92 6.67,85.5 J16.1 ; U4.27 31.7,95.75 U4.29 31.7,94.25 U4.10 ; v1(30.4,68.85) 30.03,68.48 C28.2 ; v1(81.75,49.75) 82.1,50.1 R80.2 ; P1.S1 37.91,15.59 P1.A12 37,14.38 P1.B1 ; v1(32.6,67.15) 32.97,67.52 C27.2 ; v1(35.25,33.75) D9.2 ; v1(5.2,116) 3.85,116 D10.1 ; U5.20 v1(28.5,58.25) ; C44.1 3.55,73.3 2.46,72.21 v1(2.46,69.59) ; C57.2 v1(41.9,26.1) ; U2.1 44.75,96.39 44.75,98.25 43.72,99.28 v1(43.3,99.28) 42.76,98.74 42.76,96.38 U2.4 ; v1(22.48,58.75) 22.48,58.32 23.3,57.5 U5.27 ; v1(76.03,55.12) 73.75,55.12 ; P1.S1 30.09,15.59 P1.A1 31,14.38 P1.B12 ; U5.10 v1(33.5,58.25) ; v1(86.4,53.25) 85.43,54.22 C61.2 ; R93.1 v1(87.9,75.2) ; U14.5 84.25,76.47 U14.11 ; v1(5.25,15.75) 6,16.5 J12.3 ; R77.2 R78.2 ; U5.74 v1(37.5,45.75) ; D11.1 v1(5.3,10) ; U4.18 33.55,94.75 v1(33.25,95.05) ; J13.3 v1(5.75,107.5) ; U1.4 48.03,97.97 v1(48,98)
  Bottom w0.2: 67.42,20.6 66.59,21.43 U9.3 63.32,21.43 v1(63,21.75) 63.32,22.07 U9.2 ; v1(72.5,13.5) 72.5,16.31 R62.1 ; C45.1 v1(74.5,20.5) ; v1(8.75,109.25) 8.5,109.5 J14.3 ; v1(58.98,25.5) 58.98,25.77
  vias: v1(2.46,51.59) v1(6.9,66.5) v1(6.9,58.5) v1(7,13.5) v1(7.3,53.5) v1(10.25,40.25) v1(10.25,39.25) v1(11.25,40.25) v1(11.25,39.25) v1(11.74,55.25) v1(11.74,54) v1(11.74,52.75) v1(11.74,51.5) v1(13,67.74) v1(13.24,110.5) v1(14,101.74) v1(14,87.76) v1(14.81,68.8) v1(16.55,19.3) v1(16.55,16.9) v1(17.62,36.5) v1(18.5,63) v1(19.4,14.2) v1(19.76,75) v1(20.74,56.75) v1(21,107.5) v1(21.1,81.8) v1(21.25,44.77) v1(21.52,41.75) v1(21.8,109.1) v1(21.9,80.2) v1(22.48,59.75) v1(22.5,44.77) v1(23,62.98) v1(23.1,109.1) v1(23.1,80.9) v1(23.8,82.5) v1(23.9,107.5) v1(24.25,62.98) v1(24.99,75) v1(25.52,62.25) v1(26.6,14.2) v1(27.75,65) v1(29.25,26.51) v1(30.5,35.99) v1(31.65,95.95) v1(31.65,95.05) v1(31.65,94.15) v1(31.8,84.91) v1(32.45,96.35) v1(32.45,95.45) v1(32.45,94.55) v1(32.45,93.65) v1(33.01,110.5) v1(33,62.73) v1(33.25,95.95) v1(33.25,94.15) v1(33.75,27.12) v1(36.48,92) v1(36.48,90.75) v1(36.48,89.5) v1(36.48,88.25) v1(36.52,66) v1(37.5,95.26) v1(37.48,69.5) v1(38,90.99) v1(39.06,27.7) v1(39.75,103.26) v1(40.25,89.82) v1(40.25,60.48) v1(40.82,42.6) v1(40.82,41.4) v1(41.5,115.75) v1(41.5,60.48) v1(41.92,103.99) v1(42.2,90.9) v1(42.57,33.68) v1(43.84,33.68) v1(44,115.75) v1(44.5,107.76) v1(45.49,100.5) v1(46.4,114.7) v1(46.38,33.68) v1(46.5,43.48) v1(46.75,84.5) v1(46.75,83) v1(47.02,50.5) v1(47.21,27.7) v1(48.25,84.5) v1(48.25,83) v1(49.9,27.12) v1(51.01,49.25) v1(52.19,75.7) v1(52.68,91) v1(53.6,114.7) v1(55,106) v1(55,105) v1(55.31,27.7) v1(56,106) v1(56,105) v1(58.98,24.3) v1(63.25,40.25) v1(63.25,39.25) v1(63.25,38.25) v1(63.25,37.25) v1(63.25,36.25) v1(63.25,35.25) v1(64.25,40.25) v1(64.25,39.25) v1(64.25,38.25) v1(64.25,37.25) v1(64.25,36.25) v1(64.25,35.25) v1(65.25,40.25) v1(65.25,39.25) v1(65.25,38.25) v1(65.25,37.25) v1(65.25,36.25) v1(65.25,35.25) v1(66.25,40.25) v1(66.25,39.25) v1(66.25,38.25) v1(66.25,37.25) v1(66.25,36.25) v1(66.25,35.25) v1(67.25,15.25) v1(67.25,14.25) v1(68.25,15.25) v1(68.25,14.25) v1(69.5,104.5) v1(70.5,104.5) v1(71.5,104.5) v1(72.4,92.85) v1(74,107.5) v1(74.29,71.3) v1(75,107.5) v1(75.75,48) v1(75.75,47) v1(75.75,45.5) v1(75.75,44.5) v1(75.75,43) v1(75.75,42) v1(75.75,40.5) v1(75.75,39.5) v1(76,107.5) v1(75.98,29.7) v1(76.65,74.3) v1(76.75,48) v1(76.75,47) v1(76.75,45.5) v1(76.75,44.5) v1(76.75,43) v1(76.75,42) v1(76.75,40.5) v1(76.75,39.5) v1(77.49,75.9) v1(78.5,36.5) v1(78.5,35.5) v1(78.5,34.5) v1(81,88) v1(81,87) v1(81,86) v1(80.98,73) v1(81,71.5) v1(81,70.5) v1(82,88) v1(82,87) v1(82,86) v1(82,85) v1(82.1,60.71) v1(83,88) v1(83,87) v1(83,86) v1(83,85) v1(84,88) v1(84,87) v1(84,86) v1(84,85) v1(84.5,70.12) v1(85,88) v1(85,87) v1(85,86) v1(85,85) v1(84.99,78) v1(85.6,72.12) v1(86,88) v1(86,87) v1(86,86) v1(86,85) v1(86.02,79.1) v1(87.25,116.75) v1(88.75,9.25)
+BATT: length 46.8
  Top w0.2: 50.29,88.2 Q3.5 ; 50.29,88.2 49.32,89.17 U1.7 ; 50.29,88.2 49.18,87.09 R13.1 ; 72,64 79,71 C66.1 79.05,72.53 79.52,73 C69.1 80.02,74.12 80.37,74.47 U14.10 ; R19.1 38.49,103.27 v1(38.5,103.26) ; 32.62,107.62 L5.2 ; R17.1 54.2,75.7 ; TP5.1 54.3,80.3
  Top w0.25: 72,64 71.4,63.4
  Top w0.5: R86.1 58,78
  Top w1: v1(55,84) 54.75,83.75 D2.2
  Bottom w0.2: v1(38.5,103.26) 31.49,103.26 v1(31.25,103.5)
  vias: v1(5.6,37.4) v1(5.6,35.8) v1(6.7,37.4) v1(6.7,35.8) v1(18.75,67.75) v1(20,67.75) v1(25,69.25) v1(25,67.75) v1(25,66.25) v1(26.25,69.25) v1(26.25,67.75) v1(26.25,66.25) v1(30.8,88.5) v1(30.8,87.5) v1(31.25,106.5) v1(31.25,105.5) v1(31.25,104.5) v1(31.8,88.5) v1(31.8,87.5) v1(55,87) v1(55,86) v1(55,85) v1(55,83) v1(55,82) v1(56,87) v1(56,86) v1(56,85) v1(56,84) v1(56,83) v1(56,82) v1(57,87) v1(57,86) v1(57,85) v1(57,84) v1(57,83) v1(57,82) v1(58,87) v1(58,86) v1(58,85) v1(58,84) v1(58,83) v1(58,82) v1(68.75,40.25) v1(68.75,39.25) v1(68.75,38.25) v1(68.75,37.25) v1(68.75,36.25) v1(68.75,35.25) v1(69.75,40.25) v1(69.75,39.25) v1(69.75,38.25) v1(69.75,37.25) v1(69.75,36.25) v1(69.75,35.25) v1(70.75,40.25) v1(70.75,39.25) v1(70.75,38.25) v1(70.75,37.25) v1(70.75,36.25) v1(70.75,35.25) v1(71.75,40.25) v1(71.75,39.25) v1(71.75,38.25) v1(71.75,37.25) v1(71.75,36.25) v1(71.75,35.25)
/Ball Sense/8MHZ_CLK_REF: length 107
  Top w0.2: v1(37.5,39.25) 37.5,33.93 36.75,33.18 JP12.2 ; JP8.2 32.39,63.54 32.39,60.96 32.5,60.85 U5.12 v1(32.5,57.75)
  In1.Cu w0.2: v1(32.5,57.75) 32.5,55.25 35.25,52.5 35.25,42.57 37.5,40.32 v1(37.5,39.25)
  Bottom w0.2: v1(37.5,39.25) 37.5,40.5 35,43 13.8,43 v1(7.3,49.5) 6.5,49.5 4,52 4,54.32 2.75,55.57 2.75,66.25 1.25,67.75 1.25,73.93 7.07,79.75 7.32,79.75 7.83,80.26 7.83,80.92 v1(7.25,81.5)
/Ball Sense/32KHZ_CLK_REF: length 109.2
  Top w0.2: v1(38.25,38.5) 38.25,33.75 38.75,33.25 JP13.2 ; v1(7.3,48.5) v1(9.2,48.5) ; JP10.1 37.9,62.9 36.5,61.5 34.82,61.5 34.5,61.18 U5.8 v1(34.5,57.75)
  In1.Cu w0.2: v1(38.25,38.5) 38.25,40.13 35.75,42.63 35.75,52.57 34.5,53.82 v1(34.5,57.75)
  Bottom w0.2: v1(7.25,80.5) 0.85,74.1 0.85,67.58 2.35,66.08 2.35,55.4 3.6,54.15 3.6,51.4 6.5,48.5 v1(7.3,48.5) ; v1(38.25,38.5) 38.25,40.32 35.17,43.4 13.97,43.4 9.2,48.17 v1(9.2,48.5)
/Ball Sense/SENSE_BOOT_UART.BOOT0: length 34.8
  Top w0.2: U5.38 20.97,52 9.9,63.07 9.9,75.35 7.75,77.5 J16.9
/Ball Sense/SENSE_BOOT_UART.RST: length 34.3
  Top w0.2: U5.39 21,51.5 9.5,63 9.5,74.75 7.75,76.5 J16.10
/Ball Sense/SENSE_BOOT_UART.RX: length 34
  Top w0.2: J16.8 10.25,78.5 11.1,77.65 11.1,66.47 12.48,65.09 12.48,63.56 15.6,60.44 23.56,60.44 24.32,59.68 U5.26
/Ball Sense/SENSE_BOOT_UART.TX: length 35
  Top w0.2: U5.25 26,60.34 25.5,60.84 15.77,60.84 12.88,63.73 12.88,65.25 11.5,66.63 11.5,78.25 10.25,79.5 J16.7
/Ball Sense/SENSE_BOOT_UART.~{DET}: length 44.7
  Top w0.2: v1(9,77.5) 10.3,76.2 10.3,63.13 20.93,52.5 U5.37
  Bottom w0.2: R103.2 5.76,83.5 v1(7.25,83.5) 9,81.75 v1(9,77.5)
/Breakbeam/BB_CENTER.AGPIO: length 42.5
  Top w0.2: U5.34 23.17,54 22.91,54.25 22.04,54.25 22.04,54.25 20.12,54.25 12.08,62.29 12.08,64.92 10.7,66.3 10.7,76.8 v1(10,77.5)
  Bottom w0.2: J11.2 8.25,86.5 8.75,86 8.75,82.57 10,81.32 v1(10,77.5)
/Breakbeam/BB_CENTER.INT: length 54.6
  Top w0.2: U5.46 20.5,48 v1(19.75,48.75)
  In1.Cu w0.2: v1(19.25,57.5) 19.25,50.46 19.5,50.21 19.5,49.79 19.25,49.54 19.25,49.25 v1(19.75,48.75)
  Bottom w0.2: v1(19.25,57.5) 19.25,59.77 12.35,66.67 12.35,81.79 10.75,83.39 10.75,90 8.25,92.5 J11.8
/Breakbeam/BB_CENTER.RST: length 52.3
  Top w0.2: U5.45 20.79,48.5 19.79,49.5 18.79,49.5 18.25,50.04 v1(18.25,50.75)
  In1.Cu w0.2: v1(18.25,50.75) 17.75,51.25 v1(17.75,57.5)
  Bottom w0.2: v1(17.75,57.5) 17.75,60.14 11.55,66.34 11.55,81.46 9.95,83.06 9.95,88.8 8.25,90.5 J11.6
/Breakbeam/BB_CENTER.SCL: length 56.9
  Top w0.2: v1(19,47.75) 19.25,47.5 U5.47 ; R97.2 4.76,89.5 v1(7.25,89.5)
  In1.Cu w0.2: v1(19,47.75) 17,49.75 v1(17,58.25)
  Bottom w0.2: v1(7.25,89.5) 8.25,89.5 9.55,88.2 9.55,82.9 11.15,81.3 11.15,66.17 17,60.32 v1(17,58.25)
/Breakbeam/BB_CENTER.SDA: length 56.9
  Top w0.2: v1(7.25,88.5) 4.51,88.5 R96.2 ; U5.48 v1(18.25,47)
  In1.Cu w0.2: v1(16.25,59) 16.25,49 v1(18.25,47)
  Bottom w0.2: v1(7.25,88.5) 8.25,88.5 9.15,87.6 9.15,82.73 10.75,81.13 10.75,65.75 16.25,60.25 v1(16.25,59)
/Breakbeam/BB_CENTER.~{DET}: length 52.8
  Top w0.2: v1(19,50) 19.75,50 20.75,49 U5.44
  In1.Cu w0.2: v1(19,50) 18.61,50.39 18.75,50.54 18.75,50.96 18.5,51.21 v1(18.5,56.75)
  Bottom w0.2: J11.7 8.25,91.5 10.35,89.4 10.35,83.23 11.95,81.63 11.95,66.5 18.5,59.95 v1(18.5,56.75)
/Breakbeam/BB_LEFT.AGPIO: length 62.4
  Top w0.2: J12.2 v1(3.5,17.5) ; v1(26.5,58.25) U5.24
  In1.Cu w0.2: v1(3.5,17.5) 3.5,17.89 4.84,19.23 4.85,19.23 26.5,40.88 v1(26.5,58.25)
  Bottom w0.2: v1(3.5,17.5) 3.5,14.8 5.8,12.5 J15.2
/Breakbeam/BB_LEFT.INT: length 38.7
  Top w0.2: v1(31,40.9) 31.77,40.9 33,42.13 U5.65
  In1.Cu w0.2: v1(31,40.9) 28.22,40.9 7.25,19.93 v1(7.25,19.5)
  Bottom w0.2: J15.8 7,19.25 v1(7.25,19.5)
/Breakbeam/BB_LEFT.RST: length 44.2
  Top w0.2: v1(32.01,42.25) 32.5,42.74 U5.64
  In1.Cu w0.2: v1(4.5,16.5) 4.5,18.32 5.01,18.83 5.01,18.83 28.68,42.5 31.76,42.5 v1(32.01,42.25)
  Bottom w0.2: J15.6 v1(4.5,16.5)
